# Altium PCB Proto_Lolek.PcbDoc (part 2 of 2)
Units mm, origin at the board's own origin, x right, y up, seen from the top; angles counter-clockwise.
Board outline 80 x 80 mm, 4 copper layers (Top Layer, Int1 (GND), Int2 (PWR), Bottom Layer), stack 1.57 mm thick; 128 components, 73 nets, 456 pads, 404 vias.
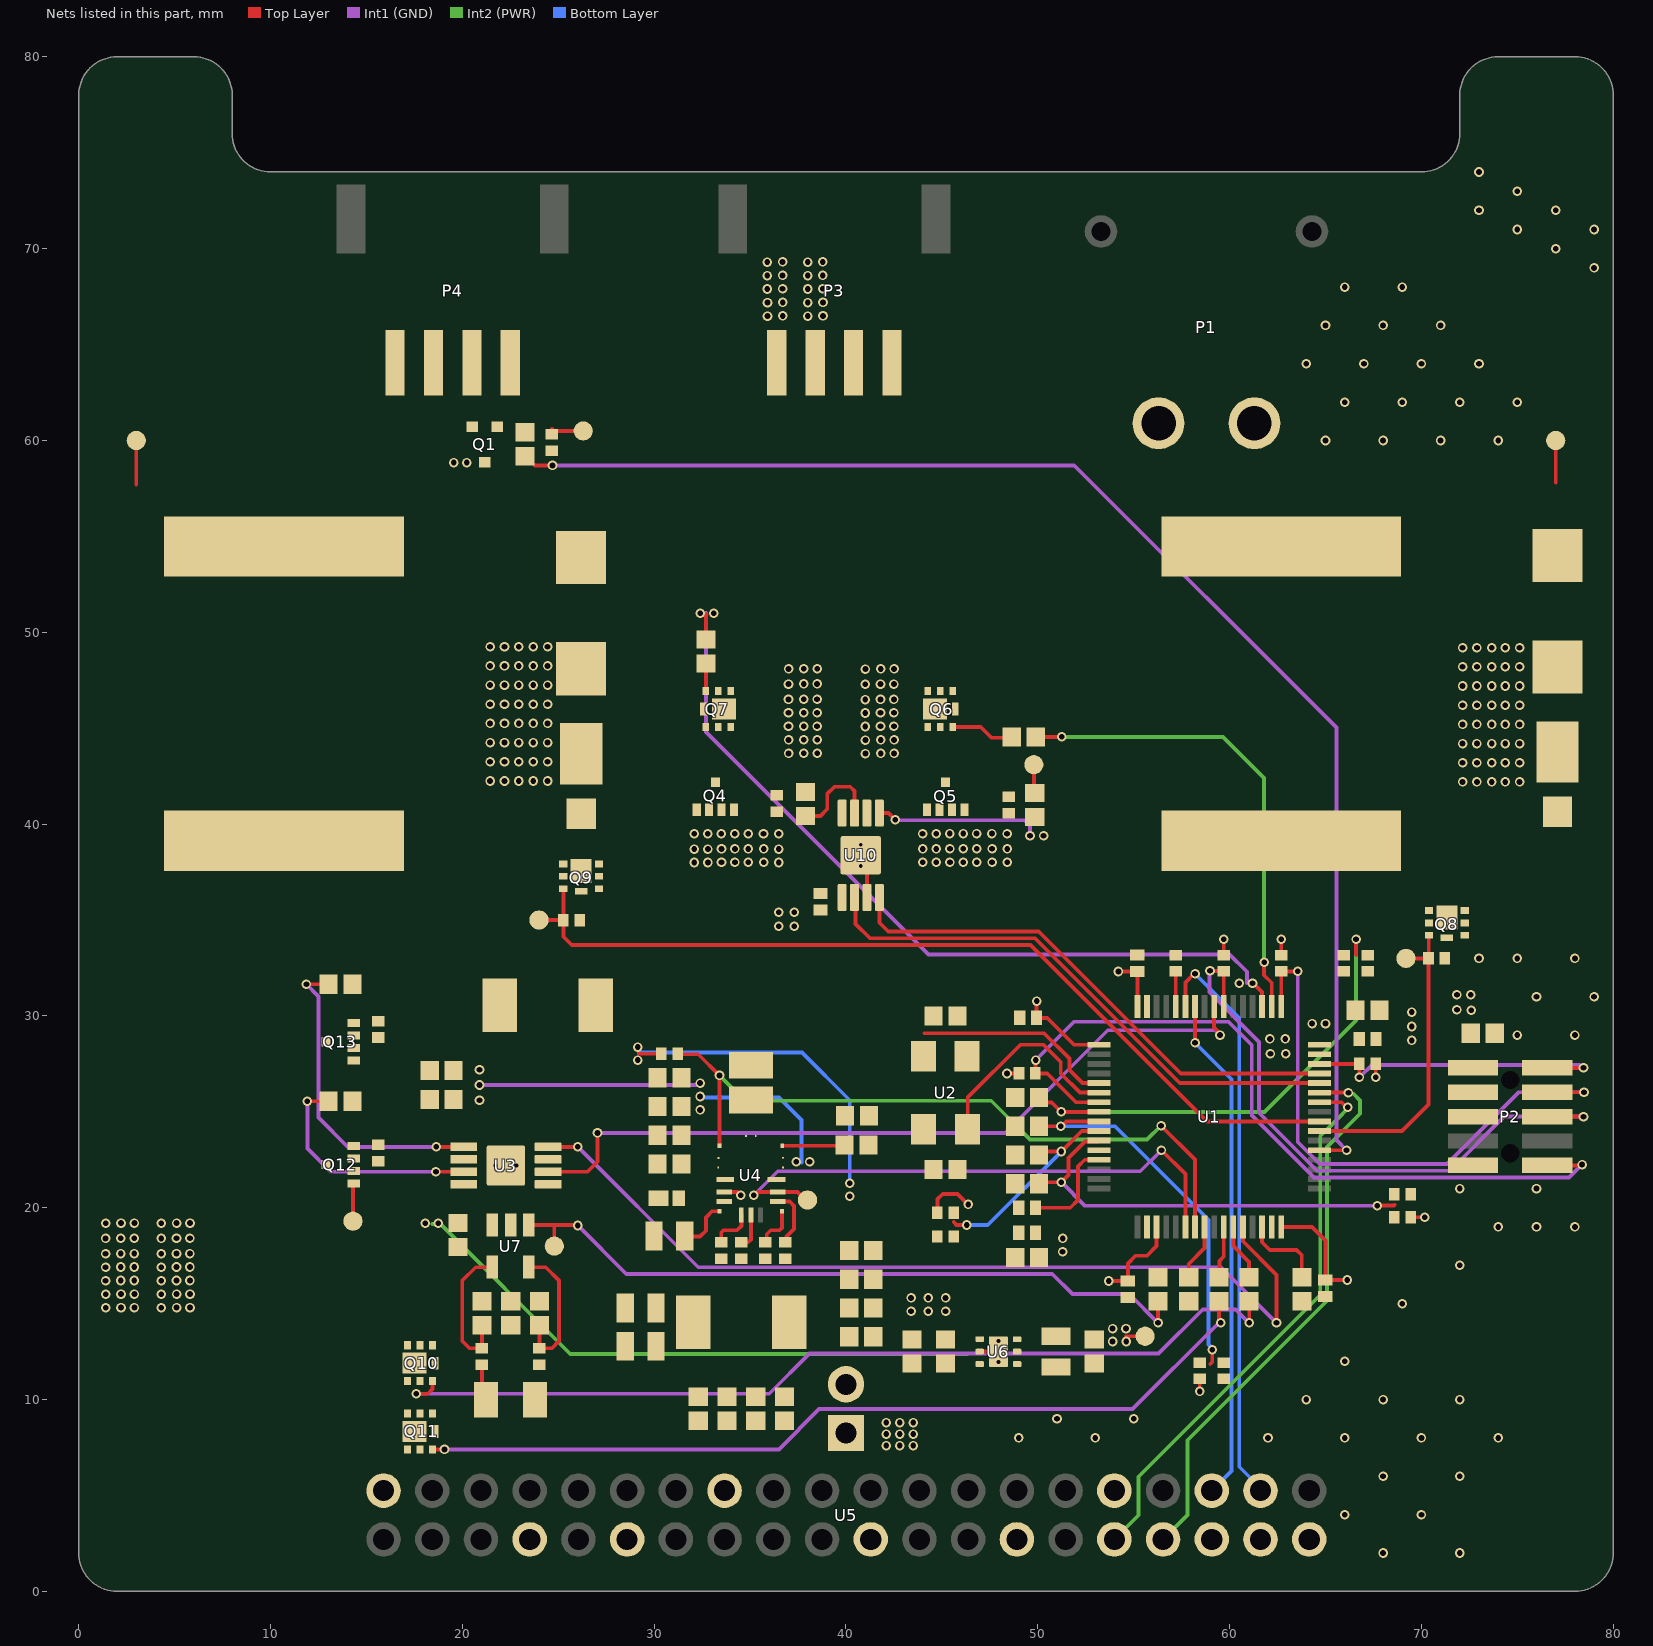
[diagram p4: the nets of this part, all layers, seen from the top]

## Via types
v1: diameter 0.5, hole 0.3, Top Layer to Bottom Layer, tented both sides, 396 vias
v2: diameter 0.4, hole 0.2, Top Layer to Bottom Layer, 6 vias
v3: diameter 0.5, hole 0.3, Top Layer to Bottom Layer, 2 vias

## Nets (pads, with @x,y where several pads share a name; then routed paths per layer and width w, separated by ;. In a path a pad name is that pad's centre, name@x,y a point inside that pad or via, vN(x,y) a via of type N, cw(c..) or ccw(c..) an arc to the next point about the centre after c; other vN are vias at no path point)
+3V3: C2.1 C3.1 C4.1 C5.1 C6.1 C7.1 C8.1 C9.1 C10.1 C13.1 C47.1 C48.1 C52.1 P2.1 Q1.3 R2.1 R3.1 R6.1 R7.1 R10.1 R11.1 R12.1 R13.1 TP9.1 U1.1 U1.13 U1.19 U1.32 U1.48 U1.64 U6.1 U6.2 U7.3 | length 62.5
  Top Layer w0.2: R6.1@44.769,19.75 44.769,20.45 45.044,20.725 45.819,20.725 v1(46.369,20.175) ; v1(48.394,27) R10.1@49.019,27 ; C4.1@49.876,20 51.694,20 52.094,20.4 52.094,22.145 52.449,22.5 U1.13@53.194,22.5 ; v1(49.944,30.775) 49.935,30.766 49.935,29.909 C5.1@49.926,29.9 50.494,29.9 51.894,28.5 U1.1@53.194,28.5 ; v1@53.694,16.175 v1(53.701,16.183) C9.1@54.694,16.183 54.694,17.1 55.094,17.5 55.694,17.5 56.194,18 U1.19@56.194,19 ; v1(54.201,32.317) C8.1@55.194,32.317 U1.64@55.194,30.5 ; 54.594,13.3 TP9.1@55.594,13.3 55.7,13.3 TP9.1@55.7,13.4 ; v1(58.444,10.425) R3.1@58.444,11.075 ; R13.1@59.694,33.175 v1(59.694,34) v1@59.694,34.075 ; U1.32@62.694,19 64.294,19 64.994,18.3 C10.1@64.994,16.233 v1(66.136,16.233) ; R12.1@62.694,33.175 v1(62.694,34) ; v1(67.619,26.8) R11.1@67.619,27.5 ; R7.1@69.444,19.5 v1(70.169,19.5)
  Int2 (PWR) w0.2: 18.425,19.15 18.85,19.15 25.625,12.375 46.325,12.375
  other v1: 53.9,13.025 54.606,13.025 53.9,13.7 54.6,13.7 51.294,17.7 51.3,18.4 18.068,19.19 18.742,19.193 64.3,29.6 65,29.6 72.6,30.3 71.85,30.325 71.85,31.1 72.575,31.1 19.55,58.85 20.225,58.85
+5V: U5.2 U5.4
GND: C1.2 C2.2 C3.2 C4.2 C5.2 C6.2 C7.2 C8.2 C9.2 C10.2 C11.2 C12.2 C13.2 C18.2 C19.2 C20.1 C21.1 C22.1 C23.1 C26.2 C27.2 C28.2 C29.2 C30.2 C31.2 C32.2 C33.2 C34.2 C35.2 C37.2 C42.2 C43.2 C44.2 C45.2 C46.2 C47.2 C48.2 C51.2 C52.2 C55.2 D1.2 L1.2 L2.1 P1.2 P2.3 P2.5 P2.9 P4.3 P4.4 Q8.2 Q9.2 R1.1 R4.2 R5.2 R8.2 R9.2 R19.2 R22.2 R23.2 R24.2 R25.2 R27.1 R30.2 R38.2 R39.2 U1.12 U1.18 U1.31 U1.47 U1.63 U2.2 U3.3 U3.9 U4.14 U5.6 U5.9 U5.14 U5.20 U5.25 U5.30 U5.34 U5.39 U6.3 U6.5 U6.7 U7.2 U10.3 U10.9 | length 4
  Top Layer w0.2: U4.14@33.644,20.825 34.344,20.825 v1(34.519,20.65) ; v2(40.769,37.825) 41.094,37.5 U10.3@41.094,36.175 ; U6.5@46.969,12.5 47.544,12.5 47.944,12.9 v2(47.944,13.05)
  other v1: 68,2 72,2 66,4 70,4 68,6 72,6 49,8 53,8 62,8 66,8 70,8 74,8 51,9 55,9 64,10 68,10 72,10 66,12 69,15 72,17 74,19 76,19 78,19 72,21 76,21 62.125,28.025 62.925,28.025 69.5,28.725 62.1,28.8 62.9,28.8 75,29 78,29 69.5,29.45 69.5,30.2 76,31 79,31 73,33 75,33 78,33 36.5,34.675 37.3,34.675 36.5,35.4 37.3,35.4 65,60 68,60 71,60 74,60 66,62 69,62 72,62 75,62 64,64 67,64 70,64 73,64 65,66 68,66 71,66 66,68 69,68 79,69 77,70 75,71 79,71 73,72 77,72 75,73 73,74
  other v2: 47.944,11.95 21.719,22.2 22.819,22.2 40.769,38.925
NetC1_1: C1.1 U1.30 | length 4.3
  Top Layer w0.2: U1.30@61.694,19 61.694,18.2 62.094,17.8 63.494,17.8 63.761,17.533 63.761,16.383 C1.1@63.769,16.375
NetC18_1: C18.1 R18.2 U1.24 | length 3
  Top Layer w0.2: C18.1@57.869,16.375 57.869,17.075 58.694,17.9 U1.24@58.694,19
NetC20_2: C20.2 C21.2 C22.2 C23.2 C24.2 C25.2 D1.1 U4.5 U4.6 U4.11 U4.12 U4.15 | length 19.6
  Int1 (GND) w0.2: v1(20.894,26.4) 32.24,26.4 32.34,26.5 v1(32.394,26.5)
  Bottom Layer w0.2: v1(32.394,25.8) 32.444,25.75 36.5,25.75 37.675,24.575 37.675,22.35
  other v1: 37.4,22.4 38.1,22.4 32.394,25.1 20.894,25.6 20.894,27.2
NetC26_1: C26.1 C27.1 C28.1 C29.1 C30.1 C31.1 L3.1 P10.2
NetC32_1: C32.1 C33.1 C34.1 C35.1 L3.2 R21.1 U4.4 U4.13 | length 17.5
  Top Layer w0.2: 29.194,28.025 R21.1@30.369,28.025
  Bottom Layer w0.2: 29.2,28.1 37.7,28.1 40.194,25.606 v1(40.194,21.275)
  other v1: 40.2,20.6 29.144,27.7 29.144,28.375
NetC36_1: C36.1 R20.2
NetC36_2: C36.2 L1.1 U4.8 U4.9
NetC37_1: C37.1 U4.16 | length 2.8
  Top Layer w0.2: C37.1@31.594,18.525 31.619,18.5 32.394,18.5 32.694,18.8 32.694,19.5 33.014,19.82 U4.16@33.402,19.82
NetC42_1: C42.1 R2.2 R4.1 U1.8 | length 25.8
  Top Layer w0.2: C42.1@50.069,25.75 50.326,25.492 50.726,25.492 v1(51.219,25) U1.8@53.194,25 ; v1(66.594,34) 66.594,33.187 66.606,33.175
  Int2 (PWR) w0.2: v1(51.219,25) 61.825,25 66.594,29.769 v1(66.594,34)
NetC43_1: C43.1 R3.2 R5.1 U1.9 | length 20.6
  Top Layer w0.2: C43.1@50.069,24.25 v1(51.194,24.25) 51.248,24.25 51.498,24.5 U1.9@53.194,24.5 ; 58.994,11.85 59.094,11.95 v1(59.094,12.6)
  Bottom Layer w0.2: v1(51.194,24.25) 54.025,24.25 58.9,19.375 58.9,12.867 59.094,12.674 v1(59.094,12.6)
NetC44_1: C44.1 R6.2 R8.1 U1.10 | length 10.9
  Top Layer w0.2: 45.619,19.25 45.769,19.1 v1(46.294,19.1) ; C44.1@50.069,22.75 50.252,22.933 v1(51.226,22.933) 52.294,24 U1.10@53.194,24
  Bottom Layer w0.2: v1(46.294,19.1) 47.394,19.1 v1(51.226,22.933)
NetC45_1: C45.1 R7.2 R9.1 U1.11 | length 22.5
  Top Layer w0.2: C45.1@50.069,21.25 50.151,21.333 v1(51.226,21.333) 51.594,21.7 51.594,22.594 52.46,23.46 53.153,23.46 U1.11@53.194,23.5 ; v1(67.694,20.1) 67.719,20.125 68.581,20.125 68.594,20.137
  Int1 (GND) w0.2: v1(51.226,21.333) 52.459,20.1 v1(67.694,20.1)
NetC49_1: C49.1 R26.2 U7.4 | length 7.4
  Top Layer w0.2: C49.1@21.019,13.875 R26.2@21.019,12.675 20.369,12.675 19.994,13.05 19.994,16.2 20.694,16.9 U7.4@21.569,16.9
NetC49_2: C49.2 C50.1 C51.1
NetC50_2: C50.2 R27.2 U7.5 | length 7.4
  Top Layer w0.2: U7.5@23.469,16.9 24.344,16.9 25.044,16.2 25.044,13.05 24.669,12.675 R27.2@24.019,12.675 C50.2@24.019,13.875
NetC53_2: C53.2 L4.1 Q6.2 TP4.1 | length 2.2
  Top Layer w0.2: 77,57.8 TP4.1@77,60
NetC54_2: C54.2 L5.1 Q7.2 TP5.1 | length 2.3
  Top Layer w0.2: 3,57.7 TP5.1@3,60
NetD2_1: D2.1 L4.2 Q8.3
NetD3_1: D3.1 L5.2 Q9.3
NetP4_1: P4.1 P4.2 Q1.2
NetQ1_1: Q1.1 R28.2 R30.1 TP10.1 | length 1.7
  Top Layer w0.2: 24.67,60.6 24.77,60.5 TP10.1@26.3,60.5
NetQ4_1: Q4.1 R34.2 R36.2
NetQ5_1: Q5.1 R35.2 R37.1 TP3.1 | length 1.5
  Top Layer w0.2: TP3.1@49.794,43.1 49.794,41.675 R37.1@49.844,41.625
NetQ6_1: Q6.1 R40.1 | length 3.3
  Top Layer w0.2: Q6.1@45.569,45.065 47.029,45.065 47.594,44.5 48.594,44.5 R40.1@48.644,44.55
NetQ7_1: Q7.1 R41.1 | length 1.4
  Top Layer w0.2: Q7.1@32.694,46.935 R41.1@32.694,48.375
NetQ8_1: Q8.1 R38.1 TP2.1 U1.39 | length 16.3
  Top Layer w0.2: U1.39@64.694,24 68.994,24 70.369,25.375 R38.1@70.369,33 ; TP2.1@69.194,33 R38.1@70.369,33 ; Q8.1@70.389,34.2 70.379,34.19 70.379,33.01 R38.1@70.369,33
NetQ9_1: Q9.1 R39.1 TP6.1 U1.40 | length 47.2
  Top Layer w0.2: TP6.1@23.994,35 R39.1@25.269,35 ; Q9.1@25.259,36.625 25.264,36.62 25.264,35.005 R39.1@25.269,35 ; U1.40@64.694,24.5 58.817,24.5 49.617,33.7 25.7,33.7 25.269,34.131 R39.1@25.269,35
NetQ10_1: Q10.1 R14.2 | length 48
  Top Layer w0.2: v1(17.594,10.3) 18.194,10.3 18.444,10.55 Q10.1@18.444,10.965 ; R14.2@61.019,15.125 61.025,15.119 v1(61.025,14)
  Int1 (GND) w0.2: v1(17.594,10.3) 36,10.3 38.1,12.4 56.3,12.4 58.6,14.7 60.319,14.7 61.019,14 v1(61.025,14)
NetQ10_2: Q10.2 Q11.2 R19.1 R26.1 | length 1.9
  Top Layer w0.2: R26.1@21.019,11.825 21.019,10.225 R19.1@21.244,10
NetQ11_1: Q11.1 R15.1 | length 45
  Top Layer w0.2: Q11.1@18.444,7.4 v1(19.069,7.4) ; R15.1@59.444,15.125 59.444,14.154 59.544,14.054 v1(59.544,14)
  Int1 (GND) w0.2: v1(19.069,7.4) 36.5,7.4 38.6,9.5 54.944,9.5 59.305,13.861 59.324,13.861 59.462,14 v1(59.544,14)
NetQ12_1: Q12.1 R42.2 R44.2
NetQ13_1: Q13.1 R43.2 R45.1
NetR1_2: R1.2 U1.60 | length 1.8
  Top Layer w0.2: U1.60@57.194,30.5 R1.2@57.194,32.325
NetR14_1: R14.1 U1.27 | length 3
  Top Layer w0.2: U1.27@60.194,19 60.194,18 61.019,17.175 R14.1@61.019,16.375
NetR15_2: R15.2 U1.26 | length 2.7
  Top Layer w0.2: R15.2@59.444,16.375 59.469,16.4 59.469,17.225 59.694,17.45 U1.26@59.694,19
NetR18_1: R18.1 TP1.1 U7.1 | length 37.1
  Top Layer w0.2: U7.1@23.469,19.1 24.734,19.1 ; TP1.1@24.794,18 24.794,19.041 24.734,19.1 ; v1@26,19.1 24.734,19.1 ; R18.1@56.269,15.125 56.269,14.031 v1@56.3,14
  Int1 (GND) w0.2: v1(26.019,19.075) 28.544,16.55 50.75,16.55 51.8,15.5 54.769,15.5 v1(56.269,14)
NetR20_1: R20.1 U4.7 | length 3.3
  Top Layer w0.2: U4.7@36.68,23.229 39.872,23.229 R20.1@39.919,23.275
NetR21_2: R21.2 U1.23 U4.10 | length 37
  Top Layer w0.2: R21.2@31.219,28.025 31.244,28 32.3,28 v1(33.403,26.897) U4.10@33.403,23.227 ; v1(56.425,24.275) 58.194,22.506 U1.23@58.194,19
  Int2 (PWR) w0.2: v1(33.403,26.897) 34.725,25.575 47.575,25.575 49.6,23.55 55.7,23.55 v1(56.425,24.275)
NetR22_1: R22.1 U4.2 | length 3
  Top Layer w0.2: U4.2@36.444,20.325 37.069,20.325 37.294,20.1 37.294,18.9 36.894,18.5 36.894,18.25 R22.1@36.844,18.2
NetR23_1: R23.1 U4.1 | length 2.2
  Top Layer w0.2: R23.1@35.794,18.2 35.869,18.275 35.869,18.62 36.074,18.825 36.541,18.825 36.658,18.942 U4.1@36.658,19.81
NetR24_1: R24.1 U4.18 | length 1.8
  Top Layer w0.2: R24.1@34.544,18.2 34.894,18.2 35.044,18.35 U4.18@35.044,19.625
NetR25_1: R25.1 U4.17 | length 2.2
  Top Layer w0.2: R25.1@33.494,18.3 33.494,18.708 33.611,18.825 34.319,18.825 34.544,19.05 U4.17@34.544,19.625
NetR28_1: R28.1 U1.37 | length 71.2
  Top Layer w0.2: R28.1@23.725,58.762 23.787,58.7 v1(24.7,58.7) ; U1.37@64.694,23 v1(66.1,23)
  Int1 (GND) w0.2: v1(24.7,58.7) 51.9,58.7 65.569,45.031 65.569,23.531 v1(66.1,23)
NetR36_1: R36.1 U10.7 | length 4.9
  Top Layer w0.2: R36.1@37.894,40.425 38.669,40.425 39.019,40.775 39.019,41.575 39.394,41.95 40.219,41.95 40.444,41.725 U10.7@40.444,40.575
NetR37_2: R37.2 U10.5 | length 8.6
  Top Layer w0.2: U10.5@41.744,40.575 42.219,40.575 v1(42.569,40.225)
  Int1 (GND) w0.2: v1(42.569,40.225) 42.594,40.2 49.3,40.2 49.594,39.906 v1(49.594,39.4)
  other v1: 50.3,39.4
NetR40_2: R40.2 U1.50 | length 24.9
  Top Layer w0.2: R40.2@49.894,44.55 v1(51.25,44.55) ; v1(61.8,32.8) 61.8,32.124 62.194,31.73 U1.50@62.194,30.5
  Int2 (PWR) w0.2: v1(51.25,44.55) 59.65,44.55 61.8,42.4 v1(61.8,32.8)
NetR41_2: R41.2 U1.51 | length 43.3
  Top Layer w0.2: v1(32.4,51) 32.475,50.925 32.719,50.925 32.694,50.9 R41.2@32.694,49.625 ; v1(61.194,31.7) 61.239,31.7 61.694,31.245 U1.51@61.694,30.5
  Int1 (GND) w0.2: 32.7,51 32.7,44.8 44.3,33.2 60,33.2 60.9,32.3 60.9,31.7
  other v1: 60.5,31.7 33.1,51
NetR44_1: R44.1 U3.7 | length 12.2
  Top Layer w0.2: v1(11.919,25.55) R44.1@13.019,25.55 ; v1(18.619,21.875) U3.7@20.069,21.875
  Int1 (GND) w0.2: v1(11.919,25.55) 11.919,23.081 13.125,21.875 v1(18.619,21.875)
NetR45_2: R45.2 U3.5 | length 16.6
  Top Layer w0.2: v1(11.869,31.65) R45.2@13.019,31.65 ; v1(18.644,23.175) U3.5@20.069,23.175
  Int1 (GND) w0.2: v1(11.869,31.65) 12.5,31.019 12.5,24.7 14.025,23.175 v1(18.644,23.175)
NetTP8_1: TP8.1 U1.22 U4.3 | length 29.8
  Top Layer w0.2: v1(35.194,20.65) 35.248,20.65 35.423,20.825 U4.3@36.444,20.825 37.476,20.825 37.901,20.4 TP8.1@37.994,20.4 ; v3(56.444,23) 57.694,21.75 U1.22@57.694,19
  Int1 (GND) w0.2: v1(35.194,20.65) 36.444,21.9 55.344,21.9 v3(56.444,23)
NetU1_28: U1.28 U3.4 | length 47.5
  Top Layer w0.2: U3.4@24.469,23.175 v1(26.019,23.175) ; U1.28@60.694,19 60.694,18.25 62.444,16.5 v1(62.444,14)
  Int1 (GND) w0.2: v1(26.019,23.175) 32.294,16.9 59.544,16.9 v1(62.444,14)
NetU1_42: U1.42 U5.10 | length 29.1
  Top Layer w0.2: U1.42@64.694,25.5 65.84,25.5 66.104,25.235 v1(66.158,25.235)
  Int2 (PWR) w0.2: U5.10@53.99,2.71 55.25,3.97 55.25,5.975 64.725,15.45 64.725,23.731 65.616,24.622 66.158,25.165 v1(66.158,25.235)
NetU1_43: U1.43 U5.8 | length 29.4
  Top Layer w0.2: U1.43@64.694,26 v1(66.194,26)
  Int2 (PWR) w0.2: U5.8@56.53,2.71 57.8,3.98 57.8,7.875 65.075,15.15 65.075,23.175 66.8,24.9 66.8,25.6 66.457,25.943 66.251,25.943 v1(66.194,26)
NetU1_44: U1.44 U10.2 | length 29
  Top Layer w0.2: U10.2@40.444,36.175 40.5,36.119 40.5,34.8 41.25,34.05 49.85,34.05 57.4,26.5 U1.44@64.694,26.5
NetU1_45: U1.45 U10.4 | length 27.5
  Top Layer w0.2: U10.4@41.744,36.175 41.744,34.856 42.2,34.4 50.049,34.4 57.449,27 U1.45@64.694,27
NetU1_56: U1.56 U3.2 | length 40.7
  Top Layer w0.2: U3.2@24.469,21.875 26.519,21.875 27.044,22.4 v1(27.044,23.9) ; U1.56@59.194,30.5 59.194,29.388 59.5,29.081 v3(59.5,29)
  Int1 (GND) w0.2: v1(27.044,23.9) 48.3,23.9 53.65,29.25 59.233,29.25 59.483,29 v3(59.5,29)
NetU1_58: U1.58 U5.5 | length 26.5
  Top Layer w0.2: U1.58@58.194,30.5 58.197,30.497 58.197,28.603 v1(58.2,28.6)
  Bottom Layer w0.2: v1(58.2,28.6) 60.1,26.7 60.1,6.28 U5.5@59.07,5.25
NetU1_59: U1.59 U5.3 | length 30.3
  Top Layer w0.2: U1.59@57.694,30.5 57.694,31.744 58.15,32.2 v1(58.2,32.2)
  Bottom Layer w0.2: v1(58.2,32.2) 60.5,29.9 60.5,6.5 61.61,5.39 U5.3@61.61,5.25
OSC_IN: C11.1 U1.5 U2.1 | length 10.5
  Top Layer w0.2: 44.094,29.1 50.33,29.1 51.644,27.786 51.644,27.186 52.33,26.5 U1.5@53.194,26.5
OSC_OUT: C12.1 U1.6 U2.3 | length 11
  Top Layer w0.2: U2.3@46.344,24.1 46.344,25.75 49.094,28.5 50.294,28.5 51.194,27.6 51.194,27 52.194,26 U1.6@53.194,26
PELTIER1_1S: C53.1 D2.2 P3.2 Q4.3 Q7.3
  other v1: 72.144,42.2 72.894,42.2 73.669,42.2 74.369,42.2 75.119,42.2 72.144,43.2 72.894,43.2 73.669,43.2 74.369,43.2 75.119,43.2 37.006,43.685 37.8,43.694 38.5,43.694 72.144,44.2 72.894,44.2 73.669,44.2 74.369,44.2 75.119,44.2 37.006,44.391 37.8,44.4 38.5,44.4 37,45.1 37.794,45.109 38.494,45.109 72.144,45.2 72.894,45.2 73.669,45.2 74.369,45.2 75.119,45.2 37,45.8 37.794,45.809 38.494,45.809 72.144,46.2 72.894,46.2 73.669,46.2 74.369,46.2 75.119,46.2 37,46.5 37.794,46.509 38.494,46.509 72.144,47.2 72.894,47.2 73.669,47.2 74.369,47.2 75.119,47.2 37,47.3 37.794,47.309 38.494,47.309 37.006,48.091 37.8,48.1 38.5,48.1 72.144,48.2 72.894,48.2 73.669,48.2 74.369,48.2 75.119,48.2 72.144,49.2 72.894,49.2 73.669,49.2 74.369,49.2 75.119,49.2
PELTIER1_2S: P3.3 Q10.3 Q12.3
  other v1: 4.306,14.785 5.1,14.794 5.8,14.794 4.306,15.491 5.1,15.5 5.8,15.5 4.3,16.2 5.094,16.209 5.794,16.209 4.3,16.9 5.094,16.909 5.794,16.909 4.3,17.6 5.094,17.609 5.794,17.609 4.3,18.4 5.094,18.409 5.794,18.409 4.306,19.191 5.1,19.2 5.8,19.2 38.006,66.485 38.8,66.494 38.006,67.191 38.8,67.2 38,67.9 38.794,67.909 38,68.6 38.794,68.609 38,69.3 38.794,69.309
PELTIER2_1S: C54.1 D3.2 P3.1 Q5.3 Q6.3
  other v1: 21.444,42.25 22.194,42.25 22.944,42.25 23.694,42.25 24.444,42.25 21.444,43.25 22.194,43.25 22.944,43.25 23.694,43.25 24.444,43.25 41.013,43.676 41.806,43.685 42.506,43.685 21.444,44.25 22.194,44.25 22.944,44.25 23.694,44.25 24.444,44.25 41.013,44.383 41.806,44.391 42.506,44.391 41.006,45.091 41.8,45.1 42.5,45.1 21.444,45.25 22.194,45.25 22.944,45.25 23.694,45.25 24.444,45.25 41.006,45.791 41.8,45.8 42.5,45.8 21.444,46.25 22.194,46.25 22.944,46.25 23.694,46.25 24.444,46.25 41.006,46.491 41.8,46.5 42.5,46.5 21.444,47.25 22.194,47.25 22.944,47.25 23.694,47.25 24.444,47.25 41.006,47.291 41.8,47.3 42.5,47.3 41.013,48.083 41.806,48.091 42.506,48.091 21.444,48.25 22.194,48.25 22.944,48.25 23.694,48.25 24.444,48.25 21.444,49.25 22.194,49.25 22.944,49.25 23.694,49.25 24.444,49.25
PELTIER2_2S: P3.4 Q11.3 Q13.3
  other v1: 1.406,14.785 2.2,14.794 2.9,14.794 1.406,15.491 2.2,15.5 2.9,15.5 1.4,16.2 2.194,16.209 2.894,16.209 1.4,16.9 2.194,16.909 2.894,16.909 1.4,17.6 2.194,17.609 2.894,17.609 1.4,18.4 2.194,18.409 2.894,18.409 1.406,19.191 2.2,19.2 2.9,19.2 35.906,66.485 36.7,66.494 35.906,67.191 36.7,67.2 35.9,67.9 36.694,67.909 35.9,68.6 36.694,68.609 35.9,69.3 36.694,69.309
RESET: P2.10 R10.2 U1.7 | length 41.6
  Top Layer w0.2: v1(49.894,27.7) 49.881,27.688 49.881,27.012 R10.2@49.869,27 50.494,27 51.994,25.5 U1.7@53.194,25.5 ; P2.10@76.566,22.21 78.335,22.21 v1(78.375,22.25)
  Int1 (GND) w0.2: v1(49.894,27.7) 51.894,29.7 59.95,29.7 61.15,28.5 61.15,24.83 64.405,21.575 66.175,21.575 77.7,21.575 v1(78.375,22.25)
SWCLK: P2.4 R12.2 U1.49 | length 30.4
  Top Layer w0.2: U1.49@62.694,30.5 R12.2@62.694,32.325 v1(63.55,32.325) ; P2.4@76.566,26.02 78.47,26.02 v1(78.475,26.025)
  Int1 (GND) w0.2: v1(63.55,32.325) 63.55,23.425 64.7,22.275 71.342,22.275 75.092,26.025 v1(78.475,26.025)
SWDIO: P2.2 R11.2 U1.46 | length 16.7
  Top Layer w0.2: U1.46@64.694,27.5 R11.2@66.769,27.5 v1(66.769,26.8) ; P2.2@76.566,27.29 78.44,27.29 v1(78.45,27.3)
  Int1 (GND) w0.2: v1(66.769,26.8) 67.417,27.449 78.247,27.449 78.396,27.3 v1(78.45,27.3)
SWO: P2.6 R13.2 U1.55 | length 32.3
  Top Layer w0.2: v1(58.975,32.357) 58.991,32.341 59.678,32.341 R13.2@59.694,32.325 U1.55@59.694,30.5 ; P2.6@76.566,24.75 v1(78.45,24.75)
  Int1 (GND) w0.2: v1(58.975,32.357) 58.944,32.325 58.944,31.231 61.525,28.65 61.525,24.95 64.55,21.925 71.487,21.925 74.312,24.75 v1(78.45,24.75)
TC_Supply: C24.1 C25.1 L2.2 Q12.2 Q13.2 R42.1 R43.1 TP7.1 U3.1 U3.6 U3.8 | length 1.7
  Top Layer w0.2: TP7.1@14.294,19.4 14.294,21.04 ; Q12.2@14.294,21.24 Q12.2@14.329,21.275
VIN: C19.1 C46.1 C55.1 P1.1 P10.1 Q4.2 Q5.2 R34.1 R35.1 U6.4 U6.6 U10.1 U10.6 U10.8
  other v1: 42.1,7.6 42.8,7.6 43.5,7.6 42.1,8.2 42.8,8.2 43.5,8.2 42.1,8.8 42.8,8.8 43.5,8.8 43.394,14.6 44.294,14.6 45.194,14.6 43.394,15.3 44.294,15.3 45.194,15.3 32.094,38 32.8,38 33.509,38.006 34.209,38.006 34.909,38.006 35.709,38.006 36.5,38 44.002,38.006 44.709,38.006 48.409,38.006 45.417,38.013 46.117,38.013 46.817,38.013 47.617,38.013 32.094,38.7 32.8,38.7 33.509,38.706 34.209,38.706 34.909,38.706 35.709,38.706 36.5,38.7 44.002,38.706 44.709,38.706 45.417,38.713 46.117,38.713 46.817,38.713 47.617,38.713 48.409,38.706 32.085,39.494 32.791,39.494 33.5,39.5 34.2,39.5 34.9,39.5 35.7,39.5 36.491,39.494 43.994,39.5 44.7,39.5 45.409,39.506 46.109,39.506 46.809,39.506 47.609,39.506 48.4,39.5
pads on no net: P1. P2. P2.7 P2.8 P3. P4. U1.2 U1.3 U1.4 U1.14 U1.15 U1.16 U1.17 U1.20 U1.21 U1.25 U1.29 U1.33 U1.34 U1.35 U1.36 U1.38 U1.41 U1.52 U1.53 U1.54 U1.57 U1.61 U1.62 U4.19 U5.1 U5.7 U5.11 U5.12 U5.13 U5.15 U5.16 U5.17 U5.18 U5.19 U5.21 U5.22 U5.23 U5.24 U5.26 U5.27 U5.28 U5.29 U5.31 U5.32 U5.33 U5.35 U5.36 U5.37 U5.38 U5.40

## Polygon pours and split planes (outlines as drawn)
+3V3 on Top Layer "+3V3_L01_P050" (solid, pour order 50): 21.894,18.5 21.894,19.7 17.8,19.7 17.8,18.7 20.794,18.7 20.994,18.5
+3V3 on Top Layer "+3V3_L01_P063" (solid, pour order 63): 73.044,31.206 72.775,31.475 71.65,31.475 71.376,31.201 71.376,26.89 73.996,26.89 73.996,27.69 73.96,27.69 73.044,28.606
VIN on Top Layer "VIN_L01_P062" (solid, pour order 62): 39.05,9.205 39.055,9.2 43.7,9.2 43.9,9 43.9,6.7 43.7,6.5 39.2,6.5 39.05,6.65
NetC26_1 on Top Layer "NETC26_1_L01_P057" (solid, pour order 57): 41,9.9 40.7,9.6 29.8,9.6 29.4,10 29.4,15.6 33.2,15.6 33.6,15.2 33.6,12.3 33.8,12.1 40.7,12.1 41,11.8
PELTIER1_1S on Top Layer "PELTIER1_1S_L01_P000" (solid, pour order 0): 39.5,62.2 39.1,61.8 35.4,61.8 34.094,60.494 34.094,54.15 34.094,48.2 33.119,47.225 33.119,45.4 33.119,44.575 32.944,44.4 31.744,44.4 31.444,44.1 31.444,41.85 31.603,41.691 34.859,41.691 35.594,42.425 38.819,42.425 39.494,43.1 39.494,46.325 39.494,54.6 39.5,54.606 39.5,59.2 41.3,61 41.3,65.9 39.5,65.9
PELTIER1_2S on Top Layer "PELTIER1_2S_L01_P056" (solid, pour order 56): 39.3,69.3 39,69.6 37.9,69.6 37.6,69.3 37.6,66.2 37.894,65.906 37.894,62.35 38.894,62.35 38.894,65.894 39.3,66.3
PELTIER2_2S on Top Layer "PELTIER2_2S_L01_P055" (solid, pour order 55): 37.2,69.3 36.9,69.6 35.7,69.6 35.4,69.3 35.4,66.4 35.894,65.906 35.894,62.35 36.894,62.35 36.894,65.894 37.2,66.2
NetP4_1 on Top Layer "NETP4_1_L01_P053" (solid, pour order 53): 20.82,60.45 20.82,61.42 21.2,61.8 23,61.8 23,65.744 22.994,65.75 19.994,65.75 19.994,60.506 20.05,60.45 20.22,60.45
NetQ1_1 on Top Layer "NETQ1_1_L01_P051" (solid, pour order 51): 25,59.9 22.07,59.9 21.52,60.45 21.52,61 25,61
NetC54_2 on Top Layer "NETC54_2_L01_P011" (solid, pour order 11): 32.769,44.65 32.769,46.475 32.119,46.475 31.644,46.95 31.644,57.456 31.1,58 0.5,58 0.5,50.919 0.719,50.7 27.594,50.7 28.594,49.7 28.594,45.4 29.344,44.65
VIN on Top Layer "VIN_L01_P021" (solid, pour order 21): 47.194,11.6 47.194,12.075 46.669,12.075 46.394,12.35 46.394,12.7 46.694,13 47.194,13 47.194,15.6 47.094,15.7 45.494,15.7 45.494,12.6 45.994,12.6 45.994,11.7 46.094,11.6
+3V3 on Top Layer "+3V3_L01_P022" (solid, pour order 22): 49.419,13.975 49.544,14.1 54.7,14.1 54.894,13.906 54.894,12.794 54.7,12.6 50.094,12.6 49.944,12.45 49.944,11.75 49.794,11.6 48.694,11.6 48.694,12.7 49.294,12.7 49.419,12.825
PELTIER1_2S on Top Layer "Top Layer-PELTIER1_2S" (solid, pour order 46): 6.294,19.4 7.294,20.4 13.544,20.4 13.544,24.15 11.544,24.15 10.294,25.4 5.294,25.4 4.969,25.4 3.819,24.25 3.819,12.875 5.944,10.75 18.119,10.75 18.119,13.075 8.119,13.075 6.294,14.9
NetC32_1 on Top Layer "NETC32_1_L01_P032" (solid, pour order 32): 37.394,15.5 38.794,16.9 38.794,20.7 38.244,21.25 33.244,21.25 33.244,21.75 40.244,21.75 40.694,21.3 40.694,12.5 35.994,12.5 35.994,15.5
NetQ10_2 on Top Layer "NETQ10_2_L01_P049" (solid, pour order 49): 18.394,11.5 18.894,11.5 18.894,9.794 18.585,9.485 18.269,9.485 18.269,7.9 19.794,7.9 20.194,8.3 20.194,9 21.894,9 21.894,11 20.194,11 20.094,11.1 20.094,12.45 19.469,13.075 18.269,13.075 18.269,12.625 18.394,12.625
PELTIER2_2S on Top Layer "PELTIER2_2S_L01_P045" (solid, pour order 45): 15.6,7.675 16.09,7.185 17.969,7.185 17.969,7.625 18.019,7.675 18.019,9.5 5.3,9.5 3.594,11.206 3.594,24.4 4.844,25.65 10.294,25.65 11.544,26.9 13.544,26.9 13.544,30.4 1.119,30.4 0.519,29.8 0.519,8.4 1.2,7.7 1.2,7.675
TC_Supply on Top Layer "TC_SUPPLY_L01_P039" (solid, pour order 39): 22.844,28.775 22.294,28.225 18.769,28.225 18.769,23.85 18.219,23.85 18.094,23.725 18.094,22.8 18.194,22.7 20.769,22.7 20.769,22.35 18.194,22.35 18.094,22.25 18.094,21.525 18.219,21.4 20.769,21.4 20.769,21.025 20.919,20.875 23.594,20.875 23.769,21.05 23.769,21.45 25.169,21.45 25.169,20.55 13.994,20.55 13.994,22.725 16.194,22.725 16.294,22.825 16.294,27.075 15.994,27.375 13.994,27.375 13.994,29.15 16.294,29.15 16.294,32.375 22.844,32.375
NetQ12_1 on Top Layer "NETQ12_1_L01_P044" (solid, pour order 44): 15.944,23 15.944,25.675 15.544,26.075 13.794,26.075 13.794,23
NetQ13_1 on Top Layer "NETQ13_1_L01_P043" (solid, pour order 43): 15.944,29.425 15.944,31.775 15.569,32.15 13.794,32.15 13.794,29.425
NetC20_2 on Top Layer "NETC20_2_L01_P036" (solid, pour order 36): 21.594,27.4 21.294,27.7 18.994,27.7 18.994,25.1 21.294,25.1 21.594,25.4
NetC20_2 on Top Layer "NETC20_2_L01_P033" (solid, pour order 33): 34.094,20.2 32.694,20.2 32.494,20 30.944,20 30.944,27.3 32.194,27.3 32.694,26.8 32.694,22.7 34.169,22.7 34.169,22 32.694,22 32.694,20.45 34.094,20.45
NetC36_2 on Top Layer "NETC36_2_L01_P035" (solid, pour order 35): 40.394,24.2 35.694,24.2 35.394,23.9 35.394,22.325 34.694,22.325 34.694,23.825 34.319,24.2 33.894,24.2 33.894,26.4 40.094,26.4 40.394,26.1
OSC_OUT on Top Layer "OSC_OUT_L01_P020" (solid, pour order 20): 45.694,24.9 46.994,24.9 46.994,22.2 46.294,21.5 45.294,21.5 45.294,22.5 45.694,22.9
OSC_IN on Top Layer "OSC_IN_L01_P019" (solid, pour order 19): 44.694,27.1 43.394,27.1 43.394,29.8 44.094,30.5 45.094,30.5 45.094,29.5 44.694,29.1
+3V3 on Top Layer "+3V3_L01_P018" (solid, pour order 18): 51.494,16.9 51.694,17.1 51.694,20.4 49.594,20.4 49.594,16.9
+3V3 on Top Layer "+3V3_L01_P015" (solid, pour order 15): 65.594,30.25 65.594,32.6 66.294,32.6 66.294,30.8 67.094,30.8 67.094,28.125 65.869,28.125 65.594,28.4 64,28.4 64,29.856 64.394,30.25
NetD2_1 on Top Layer "NETD2_1_L01_P014" (solid, pour order 14): 79.4,41 78.9,41.5 56.119,41.5 55.719,41.1 55.719,34.881 56.1,34.5 78.9,34.5 79.4,35
NetC53_2 on Top Layer "NETC53_2_L01_P013" (solid, pour order 13): 79.4,58 47.5,58 46.494,56.994 46.494,47.863 46.019,47.387 45.494,47.387 45.494,45.562 66.606,45.562 72.669,51.625 72.694,51.6 79.4,51.6
NetD3_1 on Top Layer "NETD3_1_L01_P012" (solid, pour order 12): 1.169,41.35 0.569,40.75 0.569,34.4 1.244,33.725 21.219,33.725 24.544,37.05 25.619,37.05 25.719,36.95 26.669,36.95 26.769,37.05 27.494,37.05 27.694,37.25 27.694,41.35
VIN on Top Layer "VIN_L01_P005" (solid, pour order 5): 38.094,36.075 31.794,36.075 31.794,41.2 33.694,41.2 33.694,40.1 35.094,40.1 35.919,40.925 36.894,40.925 36.894,39.5 38.494,39.5 39.519,40.525 39.519,41.275 40.019,41.275 40.019,39.875 39.869,39.875 39.394,39.4 39.394,37.175 39.694,36.875 40.019,36.875 40.019,35.475 39.519,35.475 39.519,35.85 39.294,36.075
NetR37_2 on Top Layer "NETR37_2_L01_P010" (solid, pour order 10): 49.294,40.9 49.294,39.1 49.594,38.8 50.294,38.8 50.594,39.1 50.594,40.9
NetQ5_1 on Top Layer "NETQ5_1_L01_P009" (solid, pour order 9): 45.944,41.15 45.944,40.35 46.969,40.35 47.769,41.15 50.594,41.15 50.594,42.1 47.719,42.1 46.769,41.15
VIN on Top Layer "VIN_L01_P008" (solid, pour order 8): 41.269,41.475 41.519,41.725 42.344,41.725 43.119,40.95 43.119,36 48.919,36 48.919,40.875 47.994,40.875 47.119,40 45.694,40 45.694,41.1 43.719,41.1 42.644,42.175 41.294,42.175 40.919,41.8 40.919,39.875 41.269,39.875
PELTIER2_1S on Top Layer "PELTIER2_1S_L01_P007" (solid, pour order 7): 43.3,60.8 43.3,65.9 41.6,65.9 41.6,62.3 41.6,60.8 39.8,59 39.8,43.094 40.444,42.45 42.787,42.45 43.571,41.666 46.828,41.666 46.987,41.825 46.987,44.225 46.737,44.475 45.15,44.475 45.15,58.95
NetQ4_1 on Top Layer "NETQ4_1_L01_P006" (solid, pour order 6): 33.969,41.2 33.969,40.4 34.994,40.4 35.794,41.2 38.394,41.2 38.394,42.15 35.744,42.15 34.794,41.2
GND on Top Layer "GND_L01_P064" (solid, pour order 64): 0,80.006 80,80.006 80,0 0,0
PELTIER2_1S on Int1 (GND) "PELTIER2_1S_L02_P001" (solid, pour order 1): 40,44 41,43 43,43 44,44 44,54 42,56 22,56 20,54 20,42 21,41 25,41 26,42 26,49 27,50 39,50 40,49
PELTIER1_2S on Int1 (GND) "PELTIER1_2S_L02_P052" (solid, pour order 52): 3.65,14.35 4,14 6,14 6.5,14.5 6.5,57 10,60.5 38.25,60.5 39.5,61.75 39.5,72.75 39,73.25 38,73.25 37.5,72.75 37.5,66.25 36.5,65.25 9.5,65.25 3.65,59.4
PELTIER2_2S on Int1 (GND) "PELTIER2_2S_L02_P058" (solid, pour order 58): 3,14 3.5,14.5 3.5,59.5 9.5,65.5 36.5,65.5 37.25,66.25 37.25,72.75 36.75,73.25 3.25,73.25 0.5,70.5 0.5,14.5 1,14
GND on Int1 (GND) "GND_L02_P059" (solid, pour order 59): 0,80.006 80,80.006 80,0 0,0
PELTIER1_1S on Bottom Layer "PELTIER1_1S_L04_P016" (solid, pour order 16): 36.225,41 35,42.225 35,45 35,53 39,57 73,57 77,53 77,42 76,41 74,41
GND on Bottom Layer "GND_L04_P060" (solid, pour order 60): 0,80.006 80,80.006 80,0 0,0
+3V3 on Int2 (PWR) "+3V3_L03_P038" (solid, pour order 38): 18.5,72.385 20.121,74.006 69.494,74.006 80,63.5 80,0 46.025,0 46.025,33.475 58.05,45.5 76.5,45.5 76.5,63 69,70.5 22.25,70.5 21.25,69.5 21.25,59 20.75,58.5 19,58.5 18.5,59
VIN on Int2 (PWR) "VIN_L03_P061" (solid, pour order 61): 0,0 45.9,0 45.9,33.625 57.95,45.675 80,45.675 80,80.006 0,80.006

## Other copper
Top Layer:
  rectangle net GND: 70.925,32.65 72.825,34.3
  rectangle net +3V3: 19.2,58.5 21.47,59.15
  rectangle net +5V: 60.7,1.8 65.075,3.6
  rectangle net NetR41_2: 32.1,50.7 33.4,51.3
  rectangle net PELTIER1_1S: 71.794,41.7 78.394,49.6
  rectangle net VIN: 42.894,12.6 45.694,15.7
  region net NetC36_1: 40.694,25.3 40.694,22.7 41.694,22.7 41.694,25.3
  rectangle net NetC42_1: 65.619,32.9 67.594,33.45
  rectangle net NetC43_1: 58.119,11.65 60.094,12.2
  rectangle net NetC45_1: 68.319,19.175 68.869,21.1
  rectangle net NetC44_1: 45.344,18.425 45.894,20.075
  rectangle net NetC49_2: 20.519,14.65 24.494,15.6
  region net NetC32_1: 28.9,28.7 28.9,27.4 29.404,27.4 29.404,28.7
  region net NetC20_2: 35.919,22.7 35.919,22 38.4,22 38.4,22.7
  rectangle net NetR41_2: 60.394,31.5 61.394,31.9
  rectangle net NetC18_1: 55.694,15.9 58.394,16.9
  rectangle net PELTIER2_1S: 21.094,41.7 27.694,49.6
  text "PD" at 8.034,2.7 h2
Int1 (GND):
  rectangle net NetC20_2: 32,24.8 32.8,26.9
  rectangle net NetR37_2: 49.339,39.1 50.6,39.64
  rectangle net NetC20_2: 20.6,25.25 21.25,27.5
  rectangle net NetR41_2: 60.2,31.4 61.5,32
  rectangle net NetR41_2: 32.1,50.734 33.4,51.286
Int2 (PWR):
  rectangle net +3V3: 17.8,18.9 19,19.5
Bottom Layer:
  rectangle net NetC20_2: 32.097,24.8 32.69,26.8
  rectangle net NetC20_2: 37.097,22.152 38.4,22.666
  rectangle net NetC32_1: 28.847,27.4 29.44,28.7
  rectangle net NetC32_1: 39.921,20.3 40.49,21.557

## Silkscreen, mask and mechanical layers (free items; w line width, h text height)
Top Overlay:
  drawing of 21 lines, arcs and shapes, not listed
  text "Fan" at 15.494,58.674 h1.52
  text "Peltier Module" at 30.734,58.674 h1.52
  text "2S ON" at 41.654,9.579 h1
Bottom Overlay:
  text "AGH Space Systems" at 31.746,68.762 h1.52
  text "Peltier Control System" at 33.746,65.762 h1.52
  text "Q2 2023" at 23.746,62.254 h1.52
Top Solder:
  rectangle: 43.794,36.1 48.594,37.4
  rectangle: 32.094,36.2 36.894,37.5
Outline:
  circle w0.013: c4,76.006 r1.6
  circle w0.013: c76,76.006 r1.6
  circle w0.013: c4,4.006 r1.6
  circle w0.013: c76,4.006 r1.6
  lines w0.013: 0,2.006 ccw(c2,2.006) 2,0.006 78,0.006 ccw(c78,2.006) 80,2.006 80,78.006 ccw(c78,78.006) 78,80.006 74,80.006 ccw(c74,78.006) 72,78.006 72,76.006 cw(c70,76.006) 70,74.006 10,74.006 cw(c10,76.006) 8,76.006 8,78.006 ccw(c6,78.006) 6,80.006 2,80.006 ccw(c2,78.006) 0,78.006 0,2.006